# Altium PCB Плата верхняя версия 7 обычная(pretraced).PcbDoc (part 1 of 2)
Units mm, origin at the board's own origin, x right, y up, seen from the top; angles counter-clockwise.
Board outline 53 x 45 mm, 4 copper layers (Top Layer, Layer 1, Layer 2, Bottom Layer), stack 1.781 mm thick; 115 components, 170 nets, 808 pads, 355 vias.
Unrouted connection lines stored in the file: 49.
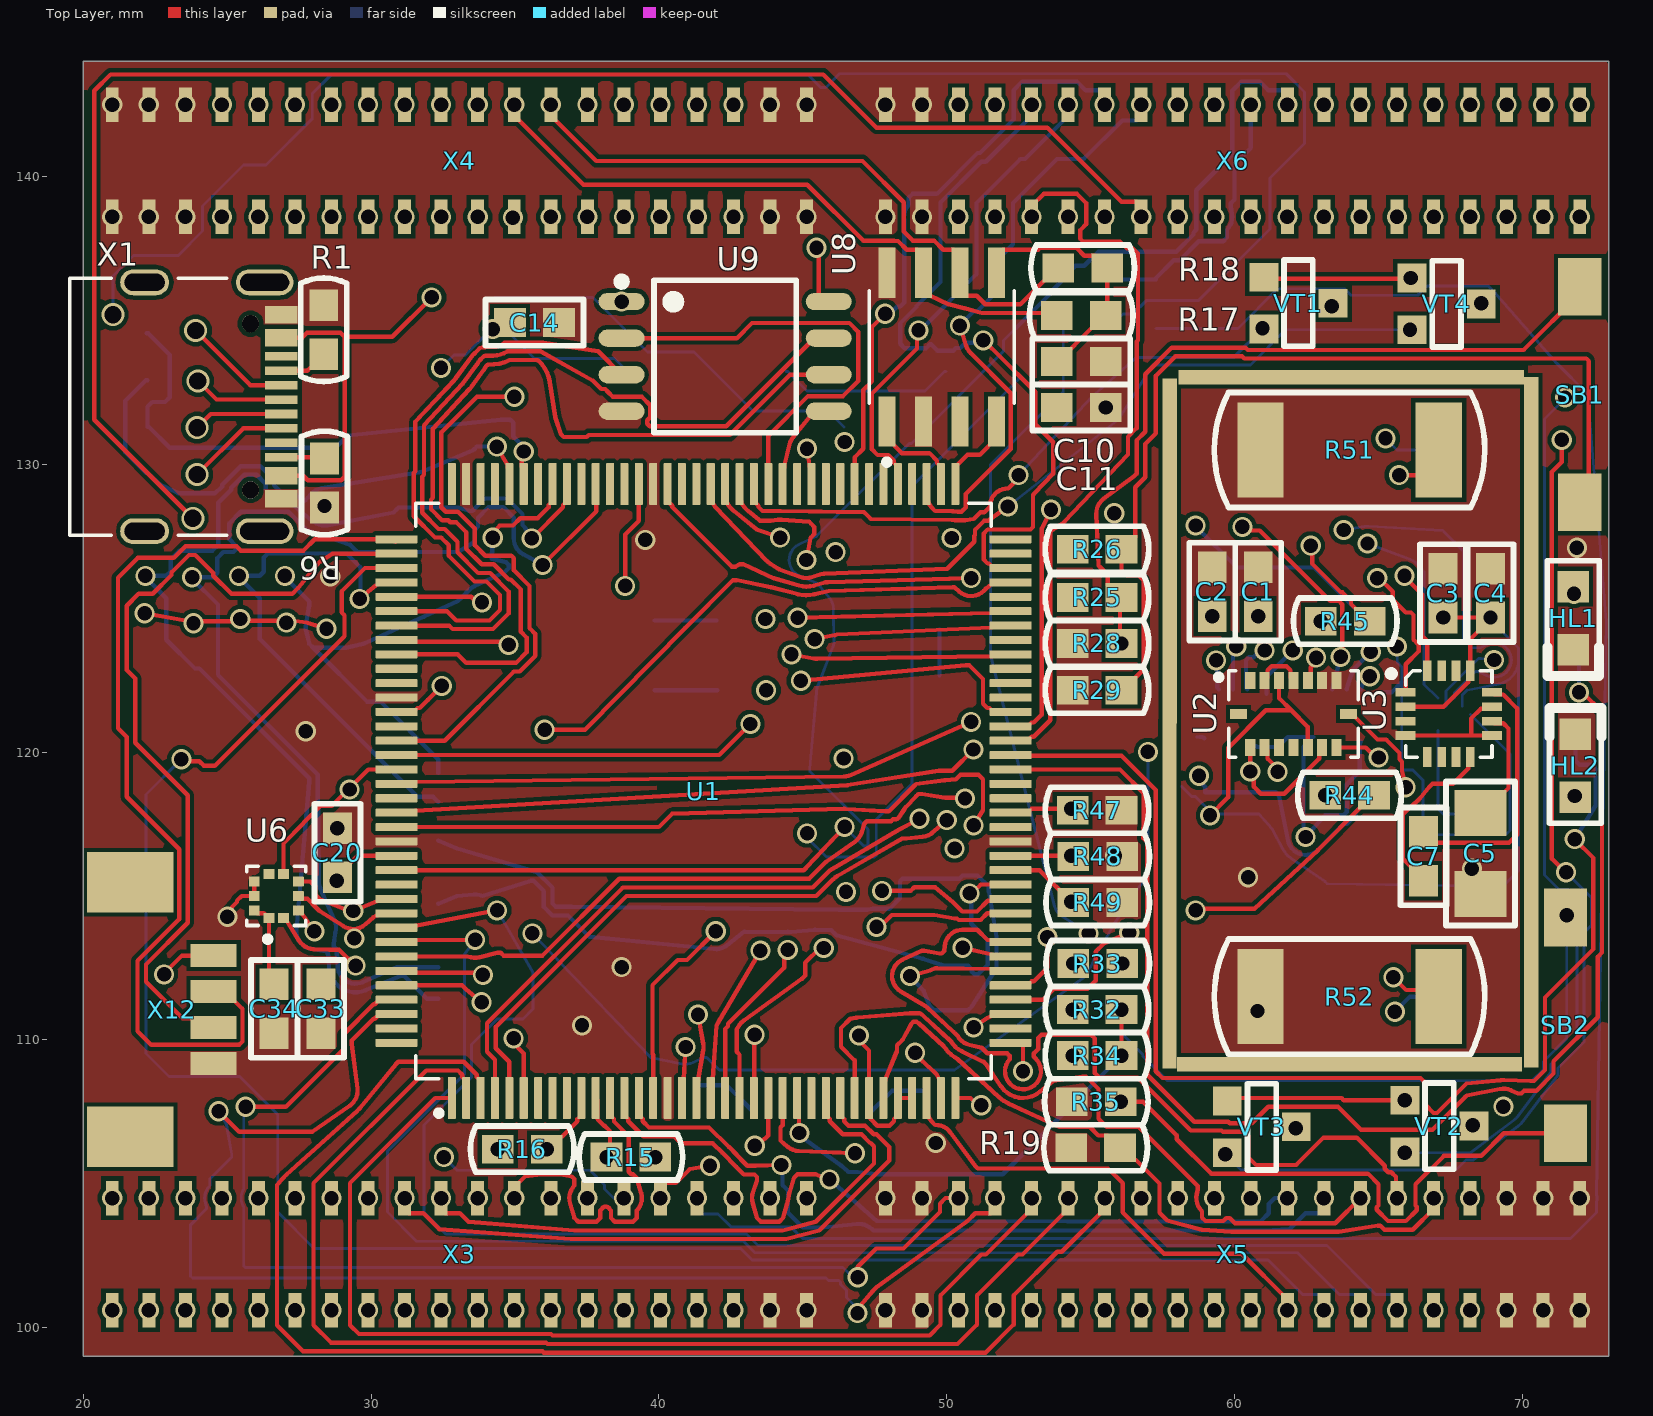
[diagram p0: Top Layer view]
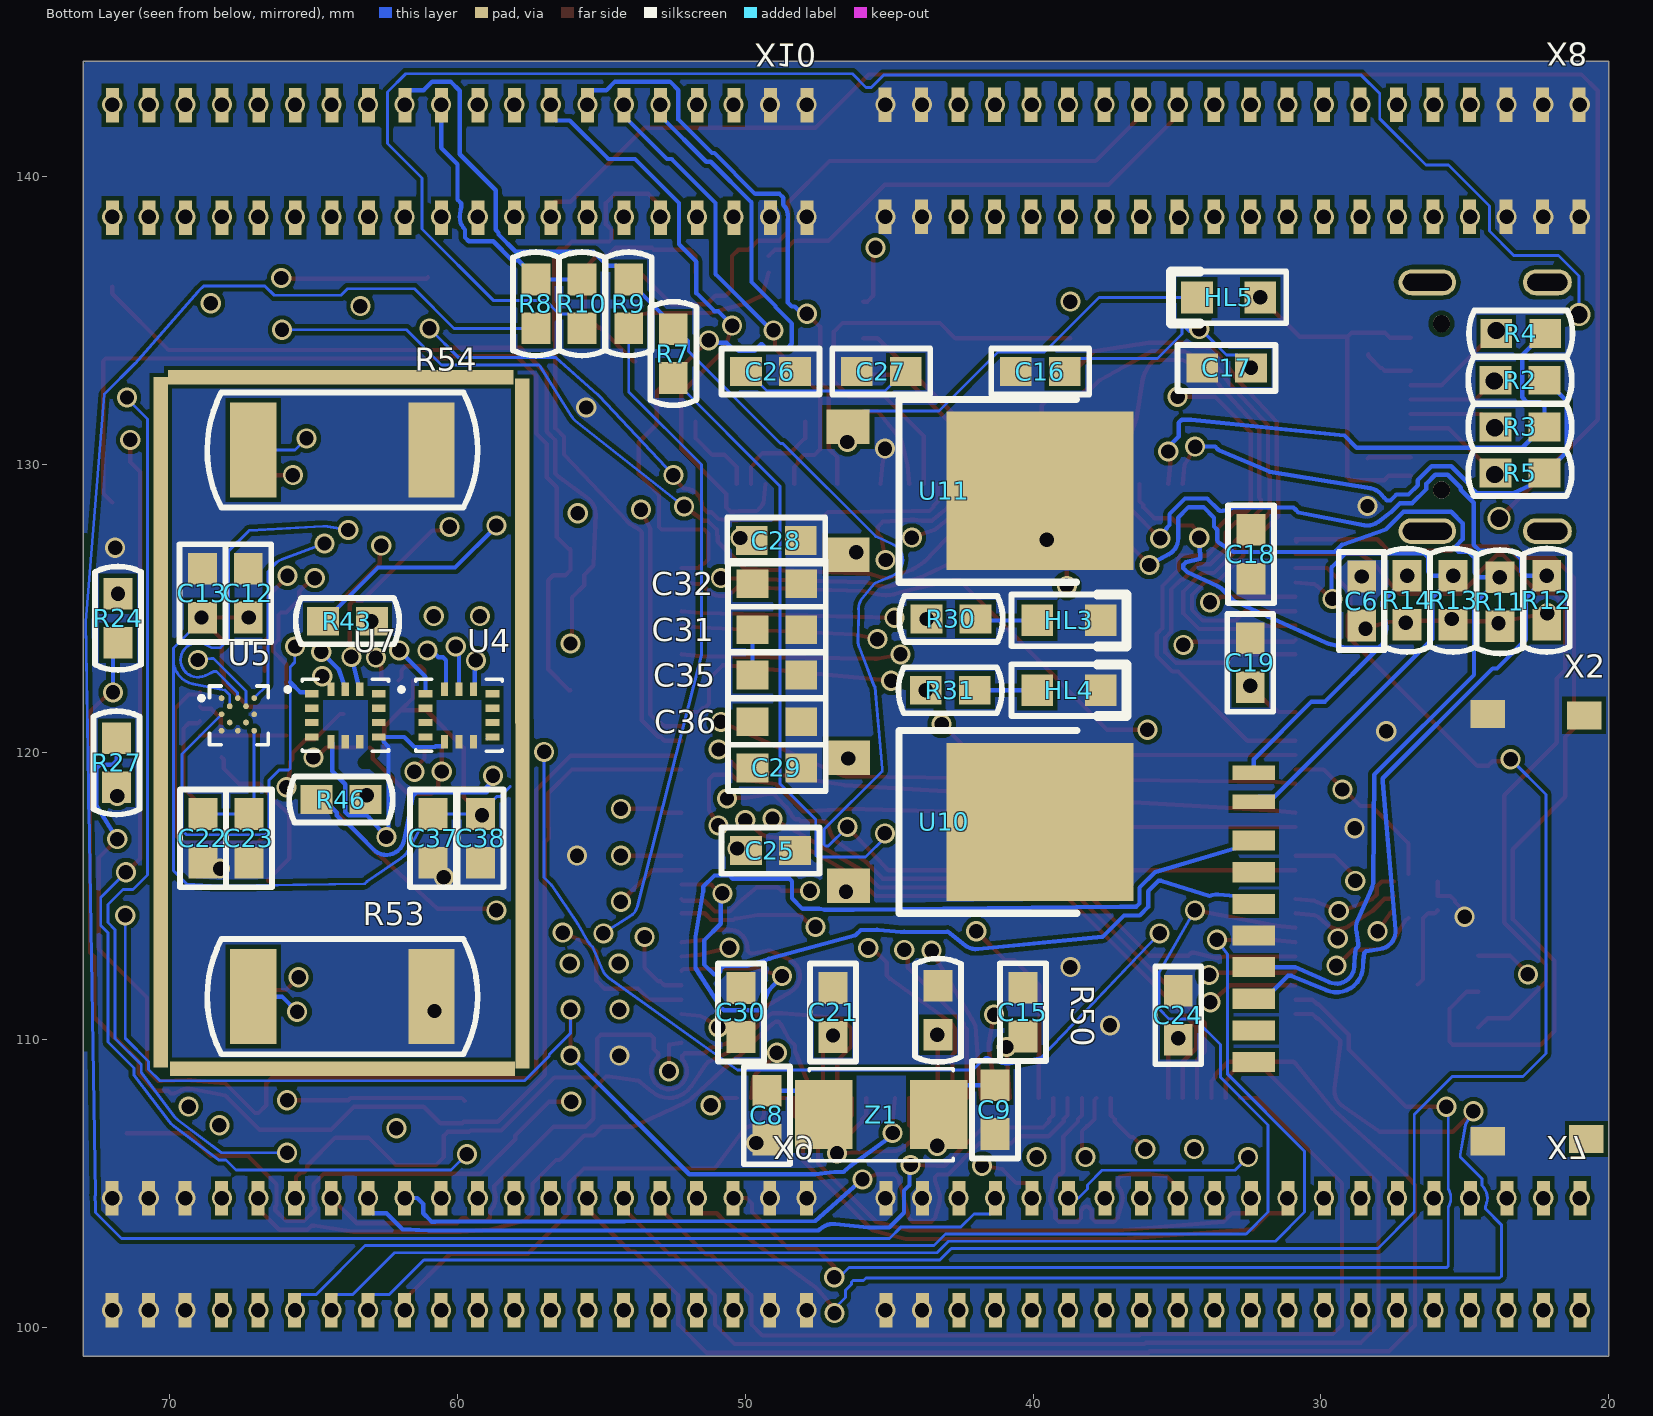
[diagram p1: Bottom Layer view, seen from below]
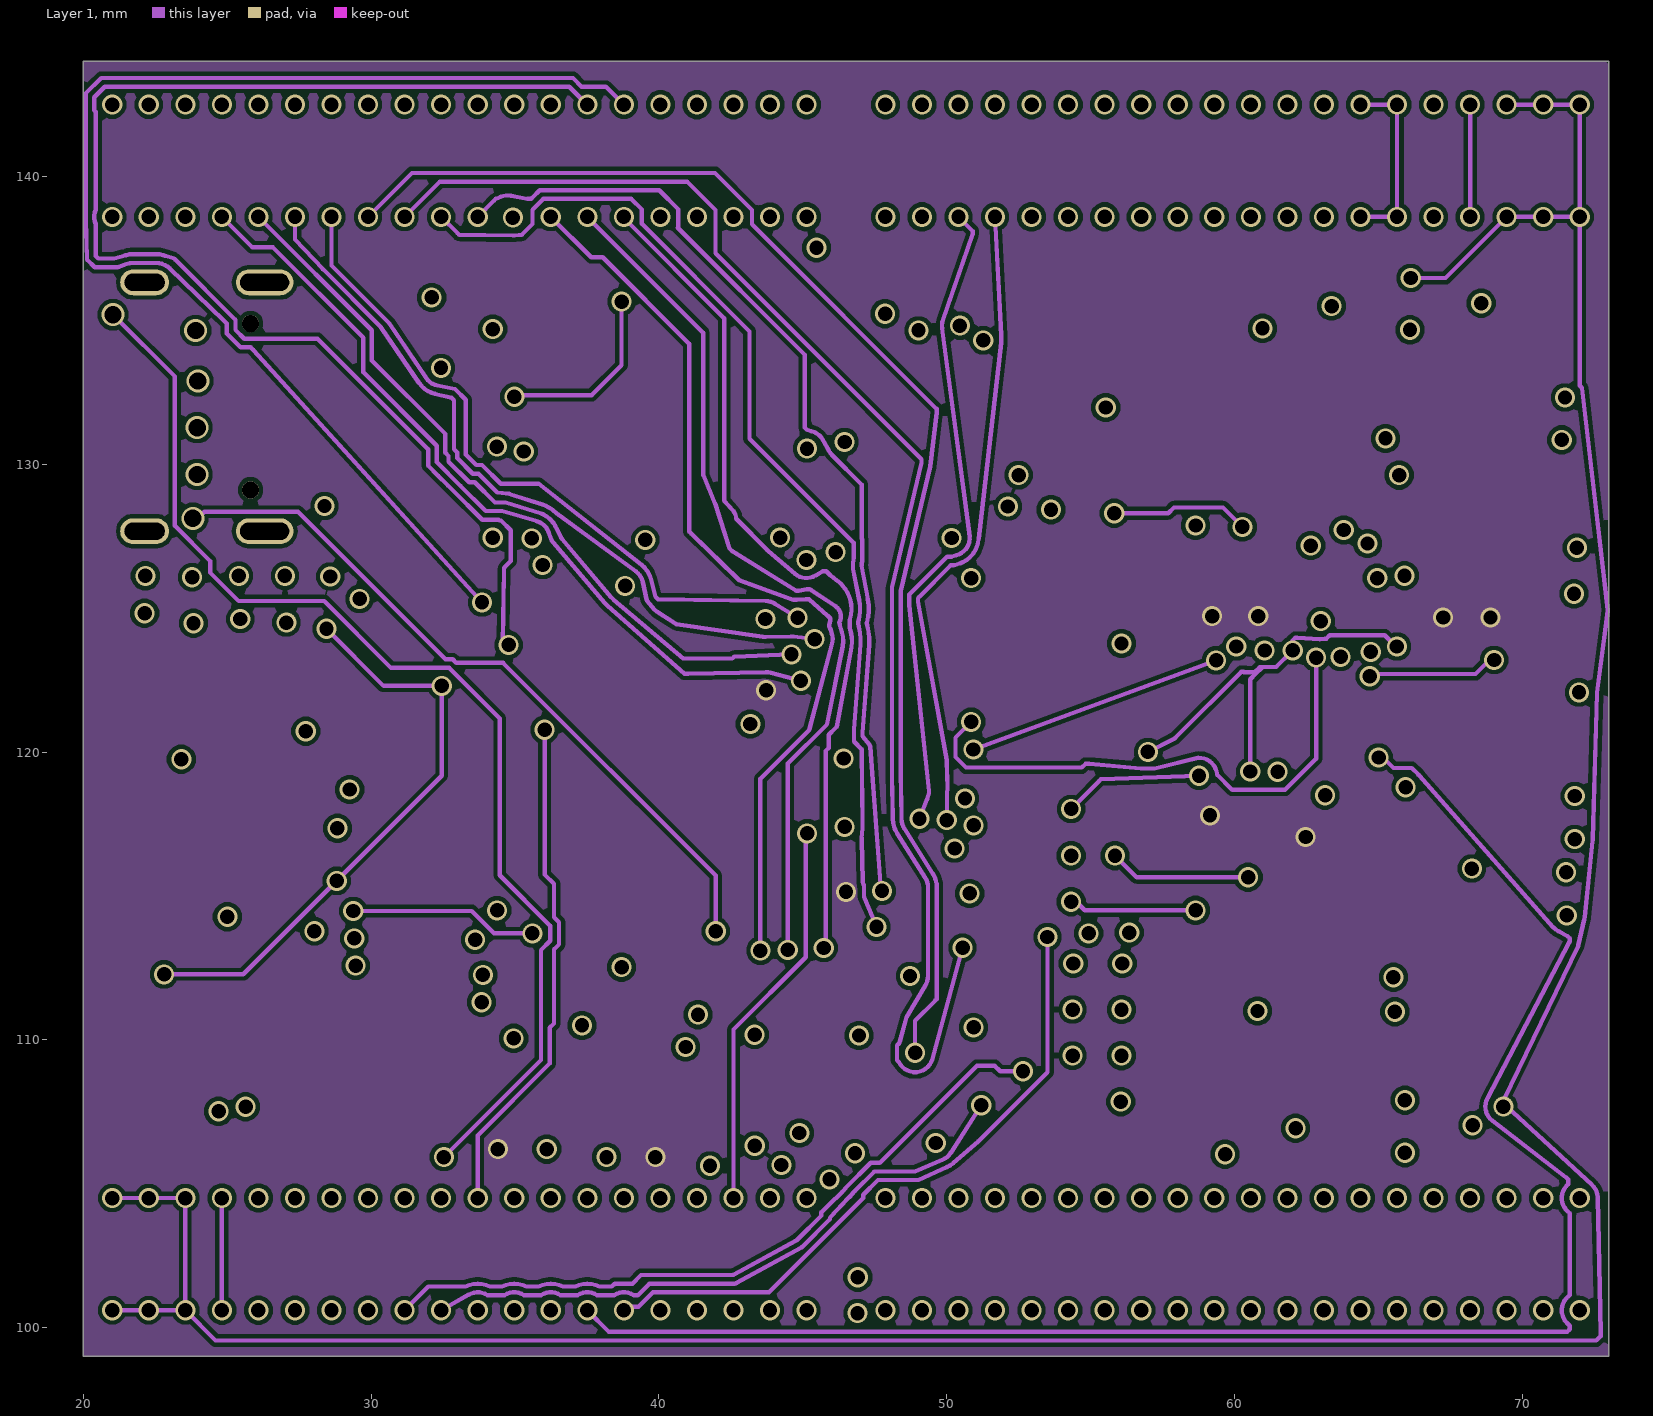
[diagram p2: Layer 1]
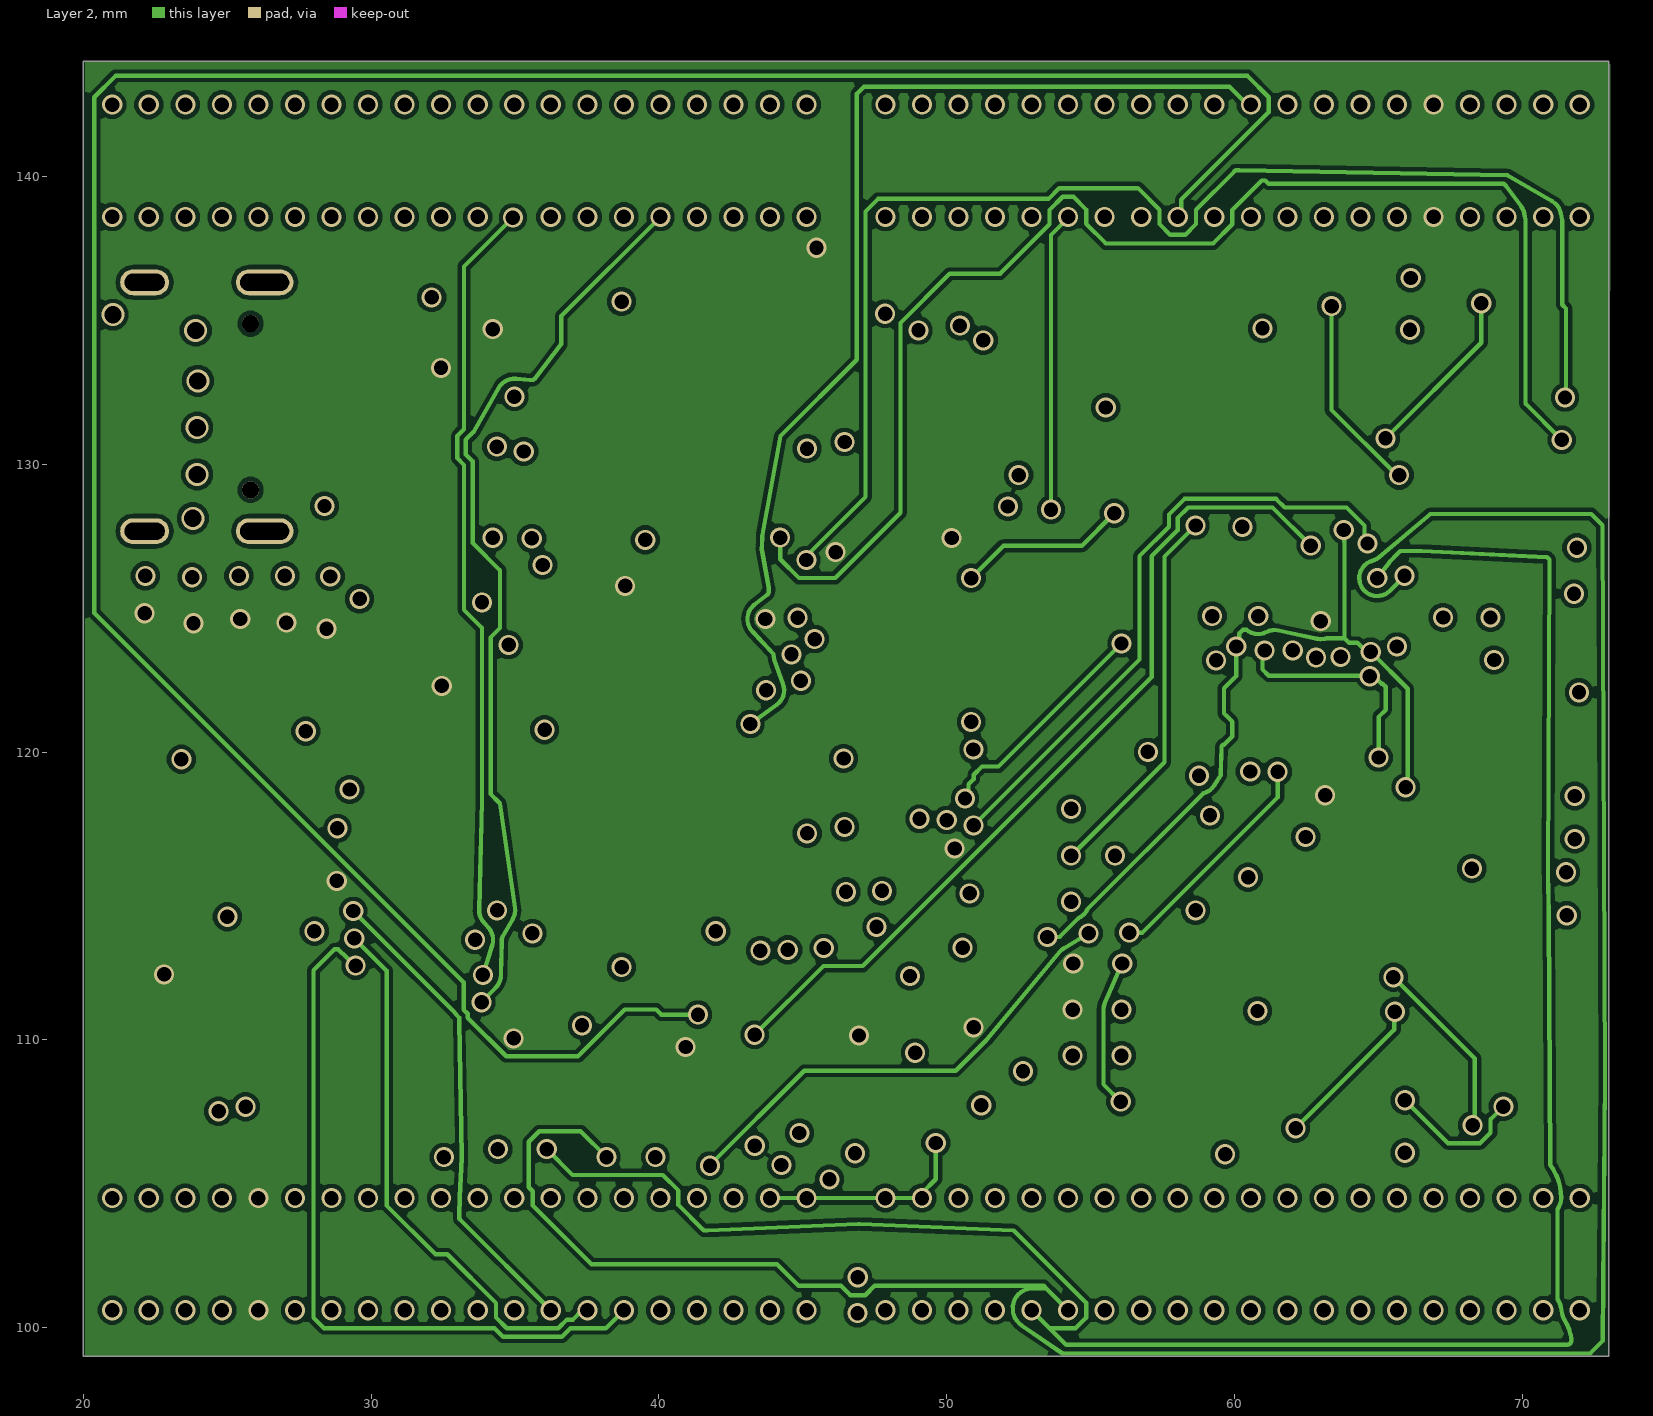
[diagram p3: Layer 2]
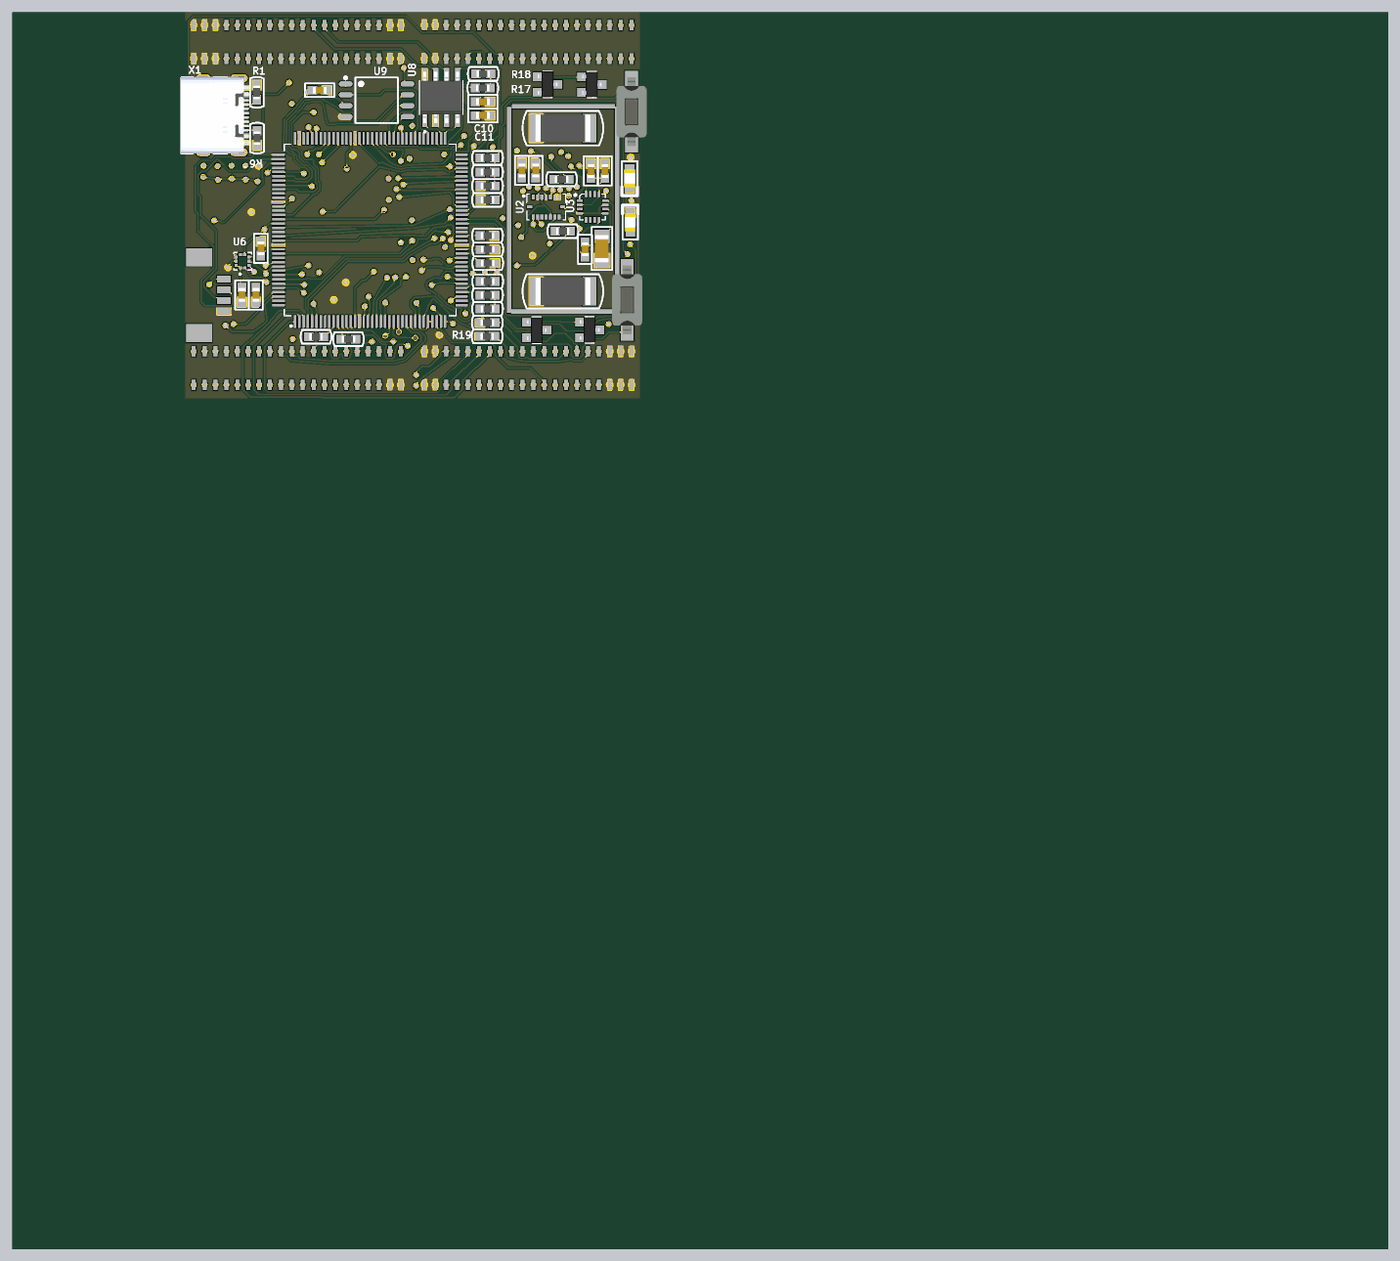
[diagram p5: 3D render of the assembled board from above, using the file's embedded part models]
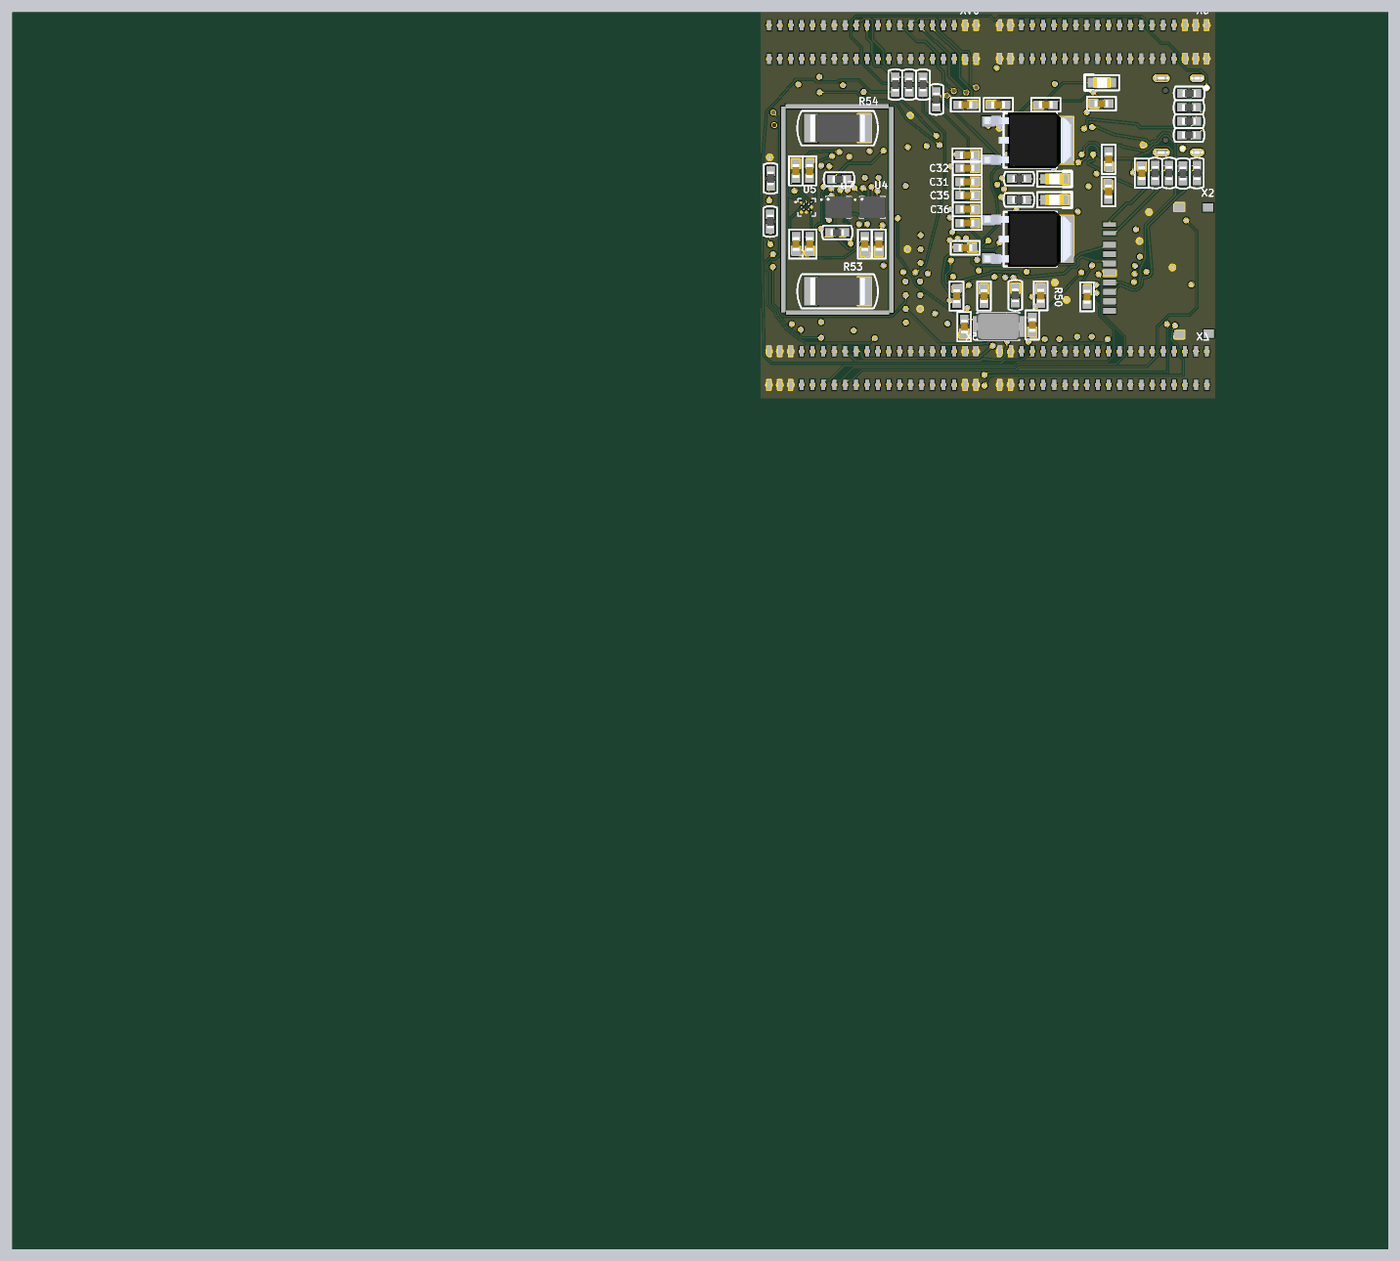
[diagram p6: 3D render of the assembled board from below, using the file's embedded part models]

## Layer stack, top to bottom
Top Solder: solder mask 0.01, Solder Resist, Dk 3.5
Top Layer: signal copper 0.035
Dielectric 2: prepreg 0.0711, PP-006, Dk 4.1
Layer 1: signal copper 0.035
Dielectric 1: core 1.499, Core-043, Dk 4.3
Layer 2: signal copper 0.035
Dielectric 3: prepreg 0.0711, PP-006, Dk 4.1
Bottom Layer: signal copper 0.035
Bottom Solder: solder mask 0.01, Solder Resist, Dk 3.5

## Board outline
20,99 20,144 73,144 73,99

## Design rules (kind name [scope] priority, off if disabled: settings)
Clearance [All] p1: gap=0.15 ignorepadtopadclearanceinfootprint=TRUE except(0.125: Arc-SMDPad Track-SMDPad SMDPad-SMDPad)
ComponentClearance [All] p1: gap=0 collisioncheckmode=3 verticalgap=0 showdistances=FALSE
PolygonConnect [All] p1: connectstyle=Direct reliefconductorwidth=0.254 reliefentries=4 polygonreliefangle="90 Angle" airgapwidth=0.254
RoutingVias [All] p1: holewidth=0.6 width=0.8 viastyle="Through Hole" minholewidth=0.6 minwidth=0.8 maxholewidth=0.6 maxwidth=0.8
SilkToSilkClearance [All] p1: silktosilkclearance=0
SolderMaskExpansion [All] p1: expansion=0.102 istentingtop=FALSE
Width [All] p1: maxlimit=0.15 minlimit=0.1 preferedwidth=0.15 toplayer_minwidth=0.15 midlayer1_minwidth=0.15 midlayer2_minwidth=0.15 bottomlayer_prefwidth=0.1 minimp=50.000000 maximp=50.000000 favimp=50.000000
28 further rules are at their usual default settings.

## Components (designator, comment, footprint, x,y, rotation, side; value= is the part's Value field where it differs from the comment)
C1 "100nF" C0603 60.825,125.575 r90 top
C2 "100nF" C0603 59.225,125.575 r90 top
C3 "100nF" C0603 67.25,125.525 r90 top
C4 "100nF" C0603 68.9,125.525 r90 top
C5 "4u7F" C1206 68.55,116.475 r90 top
C6 "100nF" C0603 28.575,125.25 r90 bottom
C7 "200nF" C0603 66.575,116.375 r270 top
C8 "18pF" C0603 49.25,107.375 r90 bottom
C9 "18pF" C0603 41.325,107.575 r90 bottom
C10 "47nF" C0603 54.675,133.575 r180 top
C11 "100nF" C0603 54.675,131.975 r0 top
C12 "100nF" C0603 67.275,125.525 r90 bottom
C13 "100nF" C0603 68.868,125.523 r90 bottom
C14 "100nF" C0603 35.675,134.925 r180 top
C15 "100nF" C0603 40.35,110.964 r270 bottom
C16 "100nF" C0603 39.75,133.225 r180 bottom
C17 "100nF" C0603 33.275,133.35 r180 bottom
C18 "100nF" C0603 32.425,126.875 r90 bottom
C19 "100nf" C0603 32.45,123.1 r270 bottom
C20 "100nF" C0603 28.825,116.5 r270 top
C21 "100nF" C0603 46.95,110.95 r90 bottom
C22 "100nF" C0603 68.85,117 r270 bottom
C23 "100nF" C0603 67.25,117 r270 bottom
C24 "100nF" C0603 34.95,110.85 r90 bottom
C25 "100nF" C0603 49.125,116.575 r180 bottom
C26 "100nF" C0603 49.125,133.225 r180 bottom
C27 "100nF" C0603 45.275,133.225 r0 bottom
C28 "100nF" C0603 48.925,127.35 r180 bottom
C29 "100nF" C0603 48.9,119.45 r180 bottom
C30 "100nF" C0603 50.15,110.95 r90 bottom
C31 "1uF" C0603 48.9,124.25 r0 bottom
C32 "1uF" C0603 48.9,125.85 r0 bottom
C33 "100nF" C0603 28.25,111.075 r270 top
C34 "C1_POSTOYANNYJ" C0603 26.625,111.075 r270 top
C35 "1uF" C0603 48.9,122.675 r0 bottom
C36 "1uF" C0603 48.9,121.05 r0 bottom
C37 "C1_POSTOYANNYJ" C0603 60.85,117 r270 bottom
C38 "100nF" C0603 59.2,117 r270 bottom
HL1 "t" LD0805 71.775,124.65 r270 top
HL2 "t" LD0805 71.85,119.525 r90 top
HL3 "t" LD0805 38.75,124.575 r180 bottom
HL4 "t" LD0805 38.75,122.15 r180 bottom
HL5 "t" LD0805 33.2,135.8 r0 bottom
R1 "5K1" R0603 28.35,134.675 r90 top
R2 "100" R0603 23.075,132.925 r180 bottom
R3 "100" R0603 23.075,131.3 r180 bottom
R4 "100" R0603 23.05,134.55 r180 bottom
R5 "100" R0603 23.075,129.7 r180 bottom
R6 "5K1" R0603 28.375,129.35 r270 top
R7 "0" R0603 52.5,133.85 r270 bottom
R8 "0" R0603 57.275,135.575 r90 bottom
R9 "0" R0603 54.05,135.575 r90 bottom
R10 "0" R0603 55.675,135.575 r90 bottom
R11 "100K" R0603 23.775,125.225 r90 bottom
R12 "100K" R0603 22.15,125.275 r90 bottom
R13 "100K" R0603 25.4,125.275 r90 bottom
R14 "100K" R0603 27,125.275 r270 bottom
R15 "10K" R0603 39.025,105.925 r180 top
R16 "10K" R0603 35.25,106.2 r0 top
R17 "60" R0603 54.675,135.175 r0 top
R18 "60" R0603 54.725,136.825 r180 top
R19 "0" R0603 55.175,106.25 r0 top
R24 "100" R0603 71.8,124.65 r90 bottom
R25 "10K" R0603 55.225,125.375 r180 top
R26 "10K" R0603 55.225,127.05 r180 top
R27 "100" R0603 71.85,119.625 r270 bottom
R28 "0" R0603 55.225,123.775 r0 top
R29 "0" R0603 55.225,122.15 r0 top
R30 "100" R0603 42.85,124.625 r180 bottom
R31 "100" R0603 42.875,122.15 r180 bottom
R32 "10K" R0603 55.225,111.05 r180 top
R33 "10K" R0603 55.25,112.65 r180 top
R34 "0" R0603 55.225,109.45 r0 top
R35 "0" R0603 55.2,107.85 r0 top
R43 "10K" R0603 63.825,124.55 r180 bottom
R44 "10K" R0603 64,118.5 r180 top
R45 "10K" R0603 63.85,124.55 r180 top
R46 "10K" R0603 64.05,118.35 r180 bottom
R47 "NCP15XH103F03RC" R0603 55.225,117.975 r0 top
R48 "NCP15XH103F03RC" R0603 55.25,116.375 r0 top
R49 "NCP15XH103F03RC" R0603 55.25,114.775 r0 top
R50 "NCP15XH103F03RC" R0603 43.3,111.025 r90 bottom
R51 "0020ab 1K8 2512" R2512 64,130.5 r180 top
R52 "0020ab 1K8 2512" R2512 64,111.5 r180 top
R53 "0020ab 1K8 2512" R2512 64,111.5 r180 bottom
R54 "0020ab 1K8 2512" R2512 64,130.5 r180 bottom
SB1 "Text" DTSM-32 72,132.425 r0 top
SB2 "Text" DTSM-32 71.5,110.5 r0 top
U1 "K1921BK01T2" QFP50P2200X2200X160-144N 41.55,118.645 r90 top locked
U2 "BMI088" PQFN50P450X300X100-16N 62.05,121.325 r0 top
U3 "QMC5883L" PLCC16-0.5-3X3MM 65.95,119.825 r0 top
U4 "QMI8658" XDCR_BMI270 59.95,121.275 r180 bottom
U5 "BMM150" XDCR_BMM150 67.6,121.275 r180 bottom
U6 "BMP388" PQFN50P200X200X80-10N 26.7,115 r90 top
U7 "BMI270" XDCR_BMI270 63.9,121.275 r180 bottom
U8 "TJA1040T" SOIC127P600X175-8N 49.825,134.075 r90 top
U9 "W25Q128FVSIG" SOIC127P790X216-8N 42.3,133.75 r0 top
U10 "КФ1158Н" SOT-428 41.655,117.573 r270 bottom
U11 "КФ1158Н" SOT-428 41.662,129.077 r270 bottom
VT1 "КТ234В9" SOT-23 62.225,135.6 r270 top
VT2 "КТ234В9" SOT-23 67.125,107 r270 top
VT3 "MOSFET-N" SOT-23 60.95,106.975 r270 top
VT4 "КТ234В9" SOT-23 67.375,135.575 r270 top
X1 "TYPE-C-31-M-12" HRO_TYPE-C-31-M-12 22.125,132 r270 top
X2 "microSD" SD 28,114.275 r270 bottom
X3 "Header 2x20" PBD1.27-40SA 33.994,102.547 r90 top
X4 "Header 2x20" PBD1.27-40SA 33.994,140.547 r90 top
X5 "Header 2x20" PBD1.27-40SA 60.864,102.547 r90 top
X6 "Header 2x20" PBD1.27-40SA 60.864,140.547 r90 top
X7 "Header 2x20" "Headr 2x20 female" 31.947,102.42 r90 bottom
X8 "Header 2x20" "Headr 2x20 female" 31.982,140.42 r90 bottom
X9 "Header 2x20" "Headr 2x20 female" 58.842,102.42 r90 bottom
X10 "Header 2x20" "Headr 2x20 female" 58.822,140.395 r90 bottom
X12 "Header 1x4" "PicoBlade 4pin" 23,111.085 r270 top
Z1 "KSE-7I08000MAF343ZA3" XTAL_NX5032GA-8.000M-STD-CSU-1 45.275,107.4 r0 bottom
